# KiCad board rabbit_mask_capacitors.kicad_pcb (continued)
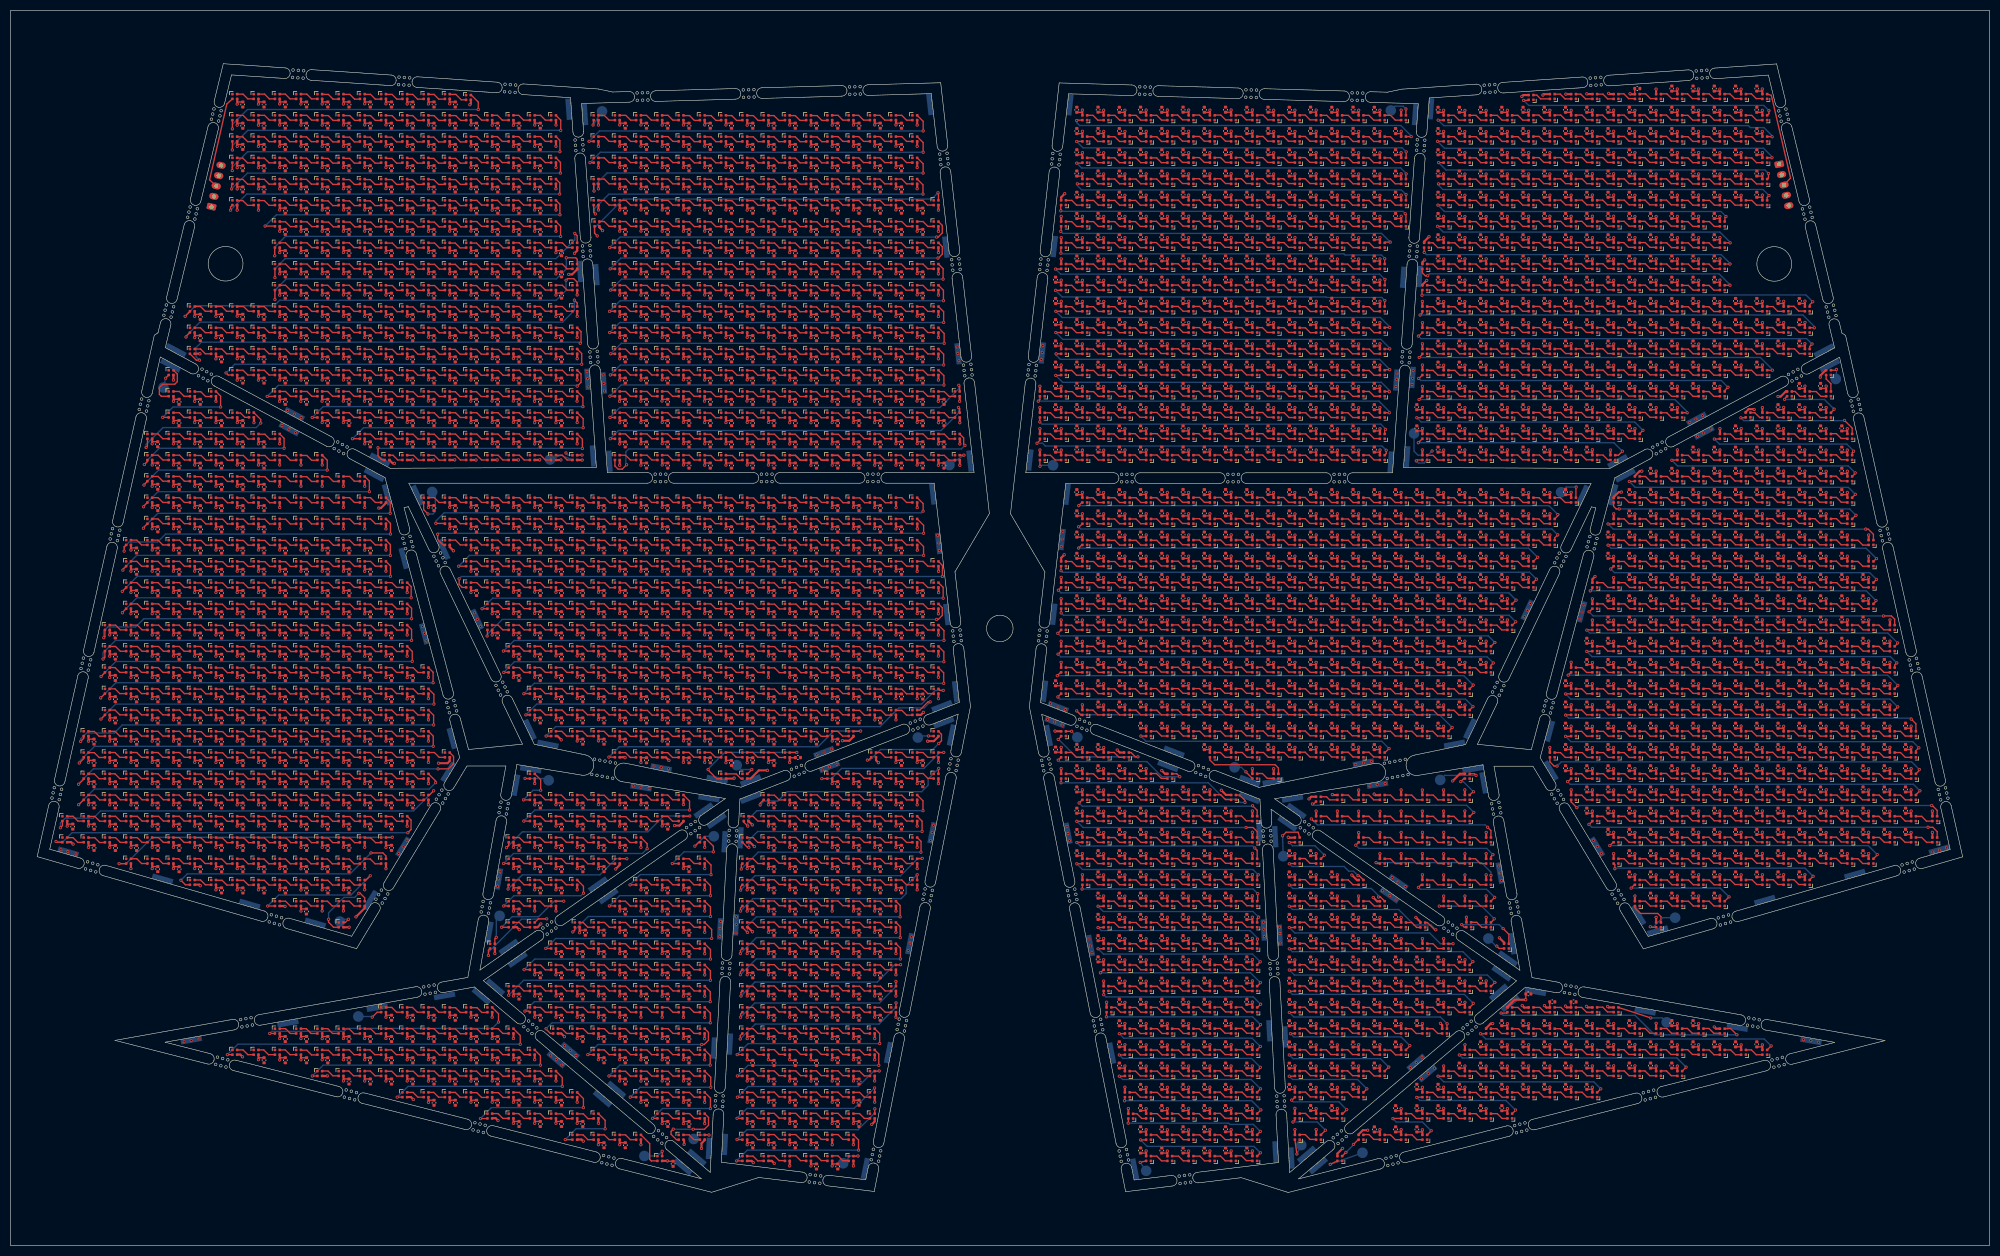
[diagram p0: board, top side]
## Routing (per net, layer and track width the routed paths; a pad name or vN(x,y) marks a point on that pad's centre or on a via; arc(x,y) is an arc through that point) (continued)
134.72,183.34 ; C1485#1813.1 142.72,175.34 ; C1485#165.1 241.68,133.38 ; C1485#931.1 333.68,153.38 ; C1485#1657.1 66.72,91.34 ; C1485#1628.1 273.68,209.38 ; C1485#141.1 313.68,217.38 ; C1485#1601.1 162.72,107.34 ; C1485#2119.1 341.68,93.38 ; C1485#930.1 221.68,49.38 ; C1485#2128.1 265.68,29.38 ; C1485#128.1 146.72,99.34 ; C1485#858.1 285.68,177.38 ; C1485#1085.1 233.68,41.36 ; C1485#156.1 58.72,71.34 ; C1485#568.1 233.68,109.38 ; C1485#2454.1 285.68,181.38 ; C1485#1040.1 329.68,109.38 ; C1485#6.1 110.72,123.34 ; C1485#2047.1 74.72,211.34 ; C1485#2486.1 333.68,169.38 ; C1485#2052.1 205.68,69.38 ; C1485#229.1 225.69,77.36 ; C1485#454.1 301.68,197.38 ; C1485#1103.1 205.68,213.4 ; C1485#1295.1 253.68,165.38 ; C1485#1520.1 229.68,197.4 ; C1485#1314.1 245.68,25.38 ; C1485#2338.1 102.72,159.34 ; C1485#883.1 305.68,109.38 ; C1485#2374.1 249.68,65.38 ; C1485#1125.1 74.72,191.34 ; C1485#1152.1 229.68,65.38 ; C1485#1605.1 30.74,75.32 ; C1485#1176.1 74.72,187.34 ; C1485#1587.1 42.74,139.32 ; C1485#2189.1 118.72,175.34 ; C1485#2215.1 249.68,141.38 ; C1485#393.1 94.72,199.34 ; C1485#65.1 162.72,159.34 ; C1485#1155.1 98.72,167.34 ; C1485#1311.1 166.72,187.32 ; C1485#2067.1 98.72,187.34 ; C1485#2242.1 118.72,195.34 ; C1485#2565.1 154.72,115.34 ; C1485#1724.1 253.68,117.38 ; C1485#436.1 54.72,203.34 ; C1485#2477.1 213.68,169.38 ; C1485#1527.1 233.68,165.4 ; C1485#473.1 253.68,197.4 ; C1485#405.1 126.72,179.34 ; C1485#2501.1 221.68,85.38 ; C1485#475.1 337.68,169.38 ; C1485#954.1 265.68,125.38 ; C1485#1982.1 229.69,73.38 ; C1485#1115.1 337.68,89.38 ; C1485#2075.1 317.68,81.38 ; C1485#1286.1 301.68,213.38 ; C1485#172.1 98.72,47.34 ; C1485#441.1 205.68,89.38 ; C1485#74.1 66.72,39.34 ; C1485#1999.1 118.72,111.34 ; C1485#2121.1 293.68,37.38 ; C1485#824.1 337.68,109.38 ; C1485#2600.1 249.68,129.38 ; C1485#1343.1 349.68,105.38 ; C1485#2602.1 269.68,109.38 ; C1485#1915.1 341.68,77.38 ; C1485#1979.1 166.72,183.34 ; C1485#766.1 82.72,151.34 ; C1485#2359.1 209.68,41.36 ; C1485#2100.1 154.72,75.34 ; C1485#277.1 257.68,189.38 ; C1485#75.1 225.68,69.38 ; C1485#607.1 118.72,163.34 ; C1485#510.1 261.68,49.36 ; C1485#2467.1 86.72,195.34 ; C1485#2564.1 233.68,137.38 ; C1485#1361.1 321.68,81.38 ; C1485#1784.1 22.72,119.34 ; C1485#1968.1 122.72,199.34 ; C1485#21.1 281.68,33.38 ; C1485#2453.1 42.72,175.34 ; C1485#1202.1 205.68,117.38 ; C1485#14.1 114.72,51.34 ; C1485#1007.1 62.74,127.34 ; C1485#1124.1 94.72,27.34 ; C1485#616.1 102.72,179.34 ; C1485#1372.1 269.68,149.38 ; C1485#2355.1 146.72,123.34 ; C1485#104.1 74.72,183.34 ; C1485#1123.1 289.68,141.38 ; C1485#537.1 150.72,19.34 ; C1485#1984.1 150.72,211.34 ; C1485#1334.1 110.71,59.36 ; C1485#832.1 94.72,47.34 ; C1485#775.1 249.68,165.4 ; C1485#2166.1 38.74,143.32 ; C1485#738.1 229.68,57.38 ; C1485#633.1 305.68,133.38 ; C1485#1254.1 281.68,141.38 ; C1485#1430.1 142.72,195.34 ; C1485#2113.1 146.72,159.34 ; C1485#1080.1 82.71,31.34 ; C1485#2032.1 277.68,117.38 ; C1485#267.1 233.68,37.38 ; C1485#1582.1 305.68,85.38 ; C1485#163.1 225.68,105.38 ; C1485#605.1 58.74,95.32 ; C1485#1003.1 257.68,193.38 ; C1485#2203.1 54.72,179.32 ; C1485#2227.1 297.68,157.38 ; C1485#675.1 114.72,199.34 ; C1485#1460.1 34.72,175.34 ; C1485#1522.1 201.68,213.38 ; C1485#218.1 301.68,133.38 ; C1485#347.1 217.68,157.4 ; C1485#680.1 229.68,165.38 ; C1485#96.1 321.68,101.38 ; C1485#1017.1 42.72,155.34 ; C1485#758.1 62.74,107.32 ; C1485#585.1 201.68,93.38 ; C1485#1305.1 54.74,115.34 ; C1485#1567.1 70.72,195.34 ; C1485#671.1 150.72,175.34 ; C1485#103.1 106.72,55.34 ; C1485#2245.1 46.72,127.36 ; C1485#1451.1 253.68,185.4 ; C1485#1001.1 34.74,127.32 ; C1485#1061.1 257.68,169.38 ; C1485#169.1 158.72,23.34 ; C1485#521.1 209.68,185.38 ; C1485#2280.1 269.68,129.38 ; C1485#1685.1 150.72,95.34 ; C1485#504.1 281.68,137.38 ; C1485#1181.1 154.72,119.34 ; C1485#2500.1 142.72,123.34 ; C1485#2612.1 14.72,83.34 ; C1485#293.1 321.68,193.38 ; C1485#37.1 337.68,157.38 ; C1485#2073.1 265.68,49.36 ; C1485#17.1 86.72,135.34 ; C1485#1732.1 329.68,101.38 ; C1485#243.1 14.74,79.32 ; C1485#2014.1 265.69,21.36 ; C1485#2614.1 106.72,123.34 ; C1485#219.1 94.72,135.34 ; C1485#635.1 170.72,167.34 ; C1485#1263.1 257.68,93.36 ; C1485#2105.1 305.68,121.38 ; C1485#757.1 38.74,79.32 ; C1485#693.1 70.72,43.34 ; C1485#1388.1 110.72,43.34 ; C1485#2588.1 237.68,113.38 ; C1485#138.1 261.68,141.38 ; C1485#1479.1 201.68,205.38 ; C1485#2432.1 249.68,121.38 ; C1485#22.1 130.72,211.34 ; C1485#19.1 30.74,123.32 ; C1485#1721.1 257.69,21.36 ; C1485#2367.1 333.68,69.38 ; C1485#1055.1 285.68,149.38 ; C1485#1475.1 102.72,155.34 ; C1485#772.1 26.74,83.32 ; C1485#621.1 162.72,99.34 ; C1485#1485.1 265.68,141.38 ; C1485#1013.1 205.68,113.38 ; C1485#889.1 257.68,173.38 ; C1485#1625.1 102.72,151.34 ; C1485#86.1 297.68,149.38 ; C1485#1192.1 102.72,55.34 ; C1485#912.1 241.68,201.38 ; C1485#1965.1 305.68,105.38 ; C1485#2289.1 118.72,51.34 ; C1485#951.1 130.72,119.34 ; C1485#1133.1 325.68,85.38 ; C1485#2579.1 86.72,167.34 ; C1485#1272.1 154.72,107.34 ; C1485#999.1 289.68,193.38 ; C1485#2045.1 205.68,81.38 ; C1485#1058.1 70.72,163.34 ; C1485#1856.1 14.72,91.34 ; C1485#994.1 74.72,167.34 ; C1485#686.1 38.72,83.34 ; C1485#1840.1 341.68,137.38 ; C1485#1695.1 34.74,87.32 ; C1485#397.1 301.68,205.38 ; C1485#411.1 26.74,119.32 ; C1485#1707.1 225.68,205.38 ; C1485#2524.1 130.72,139.34 ; C1485#1490.1 66.72,83.34 ; C1485#481.1 237.68,105.38 ; C1485#2225.1 333.68,133.38 ; C1485#1187.1 221.68,125.38 ; C1485#1135.1 293.68,189.38 ; C1485#792.1 146.72,151.32 ; C1485#1916.1 273.68,125.38 ; C1485#1953.1 257.68,149.38 ; C1485#1723.1 205.68,201.4 ; C1485#1573.1 166.72,147.34 ; C1485#871.1 225.68,17.38 ; C1485#29.1 225.68,201.38 ; C1485#444.1 213.68,181.38 ; C1485#1408.1 297.68,81.38 ; C1485#1498.1 150.72,187.34 ; C1485#449.1 54.7,63.36 ; C1485#860.1 38.74,107.32 ; C1485#1670.1 90.72,115.34 ; C1485#2089.1 201.68,133.38 ; C1485#2357.1 142.72,95.34 ; C1485#2069.1 245.68,129.38 ; C1485#2347.1 62.72,195.34 ; C1485#668.1 146.72,171.34 ; C1485#2183.1 146.72,71.34 ; C1485#2003.1 150.72,71.34 ; C1485#748.1 158.72,111.34 ; C1485#516.1 118.72,183.34 ; C1485#249.1 221.68,169.38 ; C1485#2101.1 305.68,209.38 ; C1485#7.1 26.7,151.36 ; C1485#1966.1 158.72,199.34 ; C1485#918.1 118.72,211.34 ; C1485#315.1 46.74,87.32 ; C1485#1270.1 221.68,129.38 ; C1485#2337.1 329.68,209.38 ; C1485#2035.1 158.72,175.34 ; C1485#442.1 253.68,213.4 ; C1485#809.1 201.68,109.38 ; C1485#304.1 209.68,121.38 ; C1485#1398.1 277.68,125.38 ; C1485#898.1 98.72,183.34 ; C1485#653.1 213.68,213.4 ; C1485#707.1 273.68,53.36 ; C1485#2093.1 269.68,141.38 ; C1485#1513.1 138.72,23.34 ; C1485#1588.1 142.72,31.34 ; C1485#335.1 277.68,161.38 ; C1485#284.1 94.72,183.34 ; C1485#470.1 281.68,157.38 ; C1485#435.1 241.68,153.4 ; C1485#2434.1 209.69,77.36 ; C1485#422.1 38.74,131.32 ; C1485#1531.1 245.68,185.4 ; C1485#2144.1 150.72,127.34 ; C1485#2528.1 249.68,153.4 ; C1485#1809.1 209.68,125.38 ; C1485#506.1 353.68,109.38 ; C1485#1289.1 154.72,43.34 ; C1485#837.1 42.74,123.32 ; C1485#1222.1 26.74,99.32 ; C1485#2373.1 74.72,207.34 ; C1485#1351.1 213.68,157.38 ; C1485#327.1 249.68,189.38 ; C1485#2537.1 233.68,61.38 ; C1485#2204.1 229.68,37.38 ; C1485#1484.1 74.72,83.34 ; C1485#1264.1 122.72,159.34 ; C1485#2307.1 249.68,197.38 ; C1485#142.1 205.68,185.4 ; C1485#1477.1 66.72,151.34 ; C1485#877.1 217.68,21.38 ; C1485#2411.1 162.72,183.34 ; C1485#603.1 333.68,81.38 ; C1485#2595.1 46.74,67.32 ; C1485#446.1 142.72,187.34 ; C1485#233.1 237.68,189.4 ; C1485#3.1 229.68,29.36 ; C1485#908.1 122.72,99.34 ; C1485#179.1 126.72,135.34 ; C1485#804.1 46.74,79.32 ; C1485#790.1 345.68,129.38 ; C1485#847.1 170.72,103.84 ; C1485#2304.1 54.72,211.34 ; C1485#1487.1 249.68,109.38 ; C1485#2141.1 325.68,149.38 ; C1485#1939.1 269.68,49.36 ; C1485#1867.1 126.72,183.34 ; C1485#51.1 245.68,209.4 ; C1485#1428.1 138.72,139.34 ; C1485#2599.1 221.68,133.38 ; C1485#644.1 62.72,175.32 ; C1485#2064.1 289.68,165.38 ; C1485#1041.1 273.68,189.38 ; C1485#502.1 265.68,117.38 ; C1485#2043.1 245.68,121.38 ; C1485#1488.1 70.72,83.34 ; C1485#496.1 333.68,89.38 ; C1485#1795.1 305.68,213.38 ; C1485#350.1 26.72,71.34 ; C1485#594.1 110.72,35.34 ; C1485#2616.1 233.68,213.38 ; C1485#1934.1 70.72,103.34 ; C1485#2508.1 241.68,173.4 ; C1485#1288.1 285.68,193.38 ; C1485#116.1 317.68,65.38 ; C1485#1462.1 321.68,205.38 ; C1485#291.1 154.72,179.34 ; C1485#336.1 86.72,139.34 ; C1485#928.1 337.68,153.38 ; C1485#2237.1 94.72,195.34 ; C1485#2521.1 301.68,85.38 ; C1485#1843.1 225.68,97.38 ; C1485#829.1 150.72,23.34 ; C1485#638.1 253.68,133.38 ; C1485#1409.1 150.72,131.34 ; C1485#1632.1 162.72,43.34 ; C1485#564.1 217.68,165.4 ; C1485#1618.1 66.72,211.34 ; C1485#1173.1 341.68,89.38 ; C1485#1395.1 138.72,171.34 ; C1485#865.1 257.68,133.38 ; C1485#2558.1 38.72,151.34 ; C1485#2041.1 229.68,149.38 ; C1485#2431.1 38.72,147.32 ; C1485#1878.1 86.72,43.34 ; C1485#1035.1 285.68,141.38 ; C1485#1729.1 329.68,213.38 ; C1485#1483.1 50.74,107.32 ; C1485#2062.1 122.72,51.34 ; C1485#270.1 126.72,103.34 ; C1485#2351.1 54.72,215.34 ; C1485#968.1 197.68,169.38 ; C1485#1884.1 158.72,139.34 ; C1485#1568.1 249.68,177.4 ; C1485#40.1 345.68,125.38 ; C1485#125.1 265.68,121.38 ; C1485#1329.1 237.68,165.38 ; C1485#1304.1 313.68,101.38 ; C1485#891.1 213.68,209.4 ; C1485#415.1 253.68,121.38 ; C1485#137.1 30.74,71.32 ; C1485#469.1 26.72,139.34 ; C1485#2220.1 317.68,85.38 ; C1485#1026.1 293.68,169.38 ; C1485#231.1 221.68,17.38 ; C1485#724.1 337.68,93.38 ; C1485#295.1 42.74,131.32 ; C1485#1381.1 122.72,203.34 ; C1485#1237.1 281.68,165.38 ; C1485#73.1 321.68,209.38 ; C1485#2322.1 237.68,201.4 ; C1485#1803.1 273.68,165.38 ; C1485#1265.1 253.68,189.4 ; C1485#181.1 90.72,203.34 ; C1485#2323.1 146.72,163.34 ; C1485#25.1 22.72,131.34 ; C1485#2409.1 201.68,137.38 ; C1485#305.1 273.69,25.36 ; C1485#2356.1 241.68,33.36 ; C1485#1411.1 329.68,217.38 ; C1485#934.1 269.68,137.38 ; C1485#885.1 325.68,69.38 ; C1485#2114.1 221.68,113.38 ; C1485#569.1 22.74,95.32 ; C1485#901.1 66.7,103.36 ; C1485#471.1 333.68,149.38 ; C1485#79.1 293.68,141.38 ; C1485#1783.1 158.72,159.34 ; C1485#1440.1 213.68,109.38 ; C1485#2567.1 118.72,131.34 ; C1485#2596.1 333.68,105.38 ; C1485#1885.1 209.68,69.38 ; C1485#1888.1 102.74,79.32 ; C1485#555.1 317.68,133.38 ; C1485#1476.1 78.72,155.34 ; C1485#1963.1 90.72,35.34 ; C1485#1478.1 110.72,119.34 ; C1485#227.1 98.72,191.34 ; C1485#1456.1 289.68,201.38 ; C1485#153.1 162.72,55.34 ; C1485#1579.1 42.72,203.34 ; C1485#731.1 217.68,137.38 ; C1485#1717.1 18.72,107.34 ; C1485#2096.1 162.72,191.34 ; C1485#640.1 66.72,115.34 ; C1485#2539.1 333.68,157.38 ; C1485#1486.1 130.72,111.34 ; C1485#1868.1 301.68,181.38 ; C1485#492.1 158.72,207.34 ; C1485#938.1 249.68,93.36 ; C1485#2503.1 98.72,127.34 ; C1485#815.1 78.72,139.34 ; C1485#608.1 205.68,181.38 ; C1485#383.1 321.68,93.38 ; C1485#626.1 154.72,55.34 ; C1485#1245.1 114.72,127.34 ; C1485#1948.1 345.68,73.38 ; C1485#2058.1 98.72,83.34 ; C1485#1165.1 66.72,31.34 ; C1485#1342.1 305.68,165.38 ; C1485#1206.1 257.68,177.38 ; C1485#2428.1 90.72,119.34 ; C1485#540.1 70.72,99.34 ; C1485#813.1 329.68,85.38 ; C1485#251.1 142.72,103.34 ; C1485#2262.1 289.68,189.38 ; C1485#445.1 257.68,61.36 ; C1485#421.1 345.68,85.38 ; C1485#2561.1 333.68,77.38 ; C1485#2346.1 325.68,81.38 ; C1485#1770.1 313.68,169.38 ; C1485#1275.1 269.68,185.38 ; C1485#1225.1 229.68,141.4 ; C1485#2592.1 114.72,179.34 ; C1485#1640.1 325.68,125.38 ; C1485#2517.1 213.68,117.38 ; C1485#622.1 66.72,187.34 ; C1485#35.1 82.72,211.34 ; C1485#2324.1 162.72,199.34 ; C1485#36.1 142.72,47.34 ; C1485#508.1 70.72,91.34 ; C1485#1760.1 138.72,39.34 ; C1485#1745.1 213.68,45.38 ; C1485#2306.1 261.68,125.38 ; C1485#1974.1 110.72,75.34 ; C1485#2273.1 341.68,157.38 ; C1485#1365.1 142.72,131.34 ; C1485#1441.1 209.68,45.38 ; C1485#533.1 126.72,59.34 ; C1485#673.1 94.72,167.34 ; C1485#887.1 269.68,177.38 ; C1485#706.1 349.68,117.38 ; C1485#609.1 66.72,95.34 ; C1485#16.1 114.72,207.34 ; C1485#663.1 142.72,43.34 ; C1485#659.1 58.74,107.32 ; C1485#1423.1 217.68,109.38 ; C1485#1313.1 78.72,175.32 ; C1485#1371.1 241.68,105.38 ; C1485#1763.1 317.68,173.38 ; C1485#1902.1 114.72,43.34 ; C1485#2071.1 277.68,197.38 ; C1485#1355.1 325.68,97.38 ; C1485#348.1 209.68,113.38 ; C1485#1538.1 142.72,51.34 ; C1485#921.1 146.72,195.34 ; C1485#672.1 150.72,195.34 ; C1485#2229.1 245.68,141.4 ; C1485#200.1 213.68,81.38 ; C1485#1489.1 281.68,153.38 ; C1485#2053.1 285.68,137.38 ; C1485#208.1 309.68,201.38 ; C1485#2620.1 289.68,33.38 ; C1485#245.1 349.68,81.38 ; C1485#1446.1 142.72,63.34 ; C1485#1746.1 138.72,19.34 ; C1485#1921.1 309.68,97.38 ; C1485#2034.1 253.68,169.38 ; C1485#364.1 118.72,99.34 ; C1485#480.1 107.2,59.36 ; C1485#1990.1 106.72,131.34 ; C1485#2546.1 217.68,97.38 ; C1485#2238.1 221.68,21.38 ; C1485#960.1 102.72,119.34 ; C1485#740.1 170.72,179.34 ; C1485#1148.1 245.68,173.38 ; C1485#1709.1 217.68,29.36 ; C1485#2084.1 166.72,131.34 ; C1485#1128.1 82.72,179.32 ; C1485#1692.1 293.68,41.38 ; C1485#586.1 70.72,175.32 ; C1485#1399.1 98.72,179.34 ; C1485#2010.1 277.68,173.38 ; C1485#1671.1 170.72,155.32 ; C1485#2484.1 122.72,175.34 ; C1485#394.1 150.72,103.34 ; C1485#1959.1 30.74,79.32 ; C1485#2226.1 154.72,147.34 ; C1485#2070.1 269.69,101.38 ; C1485#2190.1 229.68,201.4 ; C1485#946.1 42.74,95.32 ; C1485#1569.1 201.68,105.38 ; C1485#1093.1 70.72,167.34 ; C1485#784.1 341.68,129.38 ; C1485#1307.1 337.68,77.38 ; C1485#46.1 82.72,195.34 ; C1485#1301.1 162.72,83.34 ; C1485#1711.1 82.72,191.34 ; C1485#527.1 146.72,75.34 ; C1485#447.1 138.72,199.34 ; C1485#1852.1 269.68,45.36 ; C1485#1710.1 98.72,115.34 ; C1485#1780.1 34.74,83.32 ; C1485#907.1 201.68,173.4 ; C1485#2446.1 245.68,69.38 ; C1485#2495.1 126.72,211.34 ; C1485#664.1 221.68,161.38 ; C1485#1045.1 134.72,163.34 ; C1485#1713.1 62.72,67.34 ; C1485#576.1 249.68,105.38 ; C1485#2383.1 158.72,79.34 ; C1485#1816.1 146.72,203.34 ; C1485#1819.1 241.68,213.38 ; C1485#1545.1 30.74,107.32 ; C1485#1236.1 94.72,203.34 ; C1485#1415.1 90.72,187.34 ; C1485#709.1 201.69,73.38 ; C1485#1680.1 158.72,115.34 ; C1485#59.1 62.74,115.34 ; C1485#523.1 225.68,121.38 ; C1485#2489.1 285.68,213.38 ; C1485#1962.1 277.68,109.38 ; C1485#1318.1 225.68,81.38 ; C1485#38.1 321.68,133.38 ; C1485#1661.1 225.68,189.38 ; C1485#1453.1 50.72,179.32 ; C1485#734.1 317.68,117.38 ; C1485#2104.1 221.69,73.38 ; C1485#1359.1 209.69,73.38 ; C1485#2299.1 249.68,57.36 ; C1485#1758.1 34.74,75.32 ; C1485#2312.1 102.72,131.34 ; C1485#882.1 313.68,197.38 ; C1485#1142.1 30.74,135.32 ; C1485#1284.1 233.68,17.38 ; C1485#237.1 162.72,103.34 ; C1485#873.1 257.68,125.38 ; C1485#1179.1 126.72,35.34 ; C1485#2468.1 265.68,45.36 ; C1485#1285.1 257.68,45.36 ; C1485#494.1 229.68,109.38 ; C1485#2233.1 150.72,151.32 ; C1485#2038.1 337.68,161.38 ; C1485#124.1 94.72,123.34 ; C1485#1690.1 66.72,111.34 ; C1485#1523.1 269.69,25.36 ; C1485#2078.1 209.68,109.38 ; C1485#39.1 122.72,191.34 ; C1485#759.1 118.72,167.34 ; C1485#2329.1 245.68,165.38 ; C1485#948.1 170.72,123.34 ; C1485#1023.1 317.68,97.38 ; C1485#2163.1 301.68,41.38 ; C1485#2475.1 253.68,201.4 ; C1485#771.1 333.68,97.38 ; C1485#1507.1 317.68,145.38 ; C1485#2055.1 309.68,121.38 ; C1485#2004.1 225.68,213.38 ; C1485#702.1 345.68,145.38 ; C1485#1950.1 86.72,27.34 ; C1485#1447.1 201.68,153.4 ; C1485#2452.1 265.68,53.36 ; C1485#2002.1 78.72,203.34 ; C1485#623.1 321.68,189.38 ; C1485#1069.1 162.72,179.34 ; C1485#1454.1 54.74,79.32 ; C1485#1217.1 257.68,165.38 ; C1485#118.1 86.72,159.34 ; C1485#2109.1 122.72,27.34 ; C1485#418.1 114.72,131.34 ; C1485#958.1 162.72,111.34 ; C1485#248.1 341.68,105.38 ; C1485#652.1 241.68,69.38 ; C1485#2398.1 118.72,107.34 ; C1485#2060.1 150.72,135.34 ; C1485#2162.1 50.74,111.34 ; C1485#252.1 237.68,173.38 ; C1485#2333.1 201.68,149.4 ; C1485#2543.1 309.68,173.38 ; C1485#365.1 249.68,205.38 ; C1485#2157.1 26.7,147.34 ; C1485#205.1 245.68,137.38 ; C1485#235.1 34.74,91.32 ; C1485#123.1 90.72,139.34 ; C1485#1387.1 122.72,119.34 ; C1485#1241.1 114.72,151.32 ; C1485#382.1 126.72,91.84 ; C1485#1405.1 253.68,181.38 ; C1485#1157.1 245.68,177.38 ; C1485#687.1 126.72,111.34 ; C1485#1393.1 313.68,105.38 ; C1485#80.1 114.74,83.32 ; C1485#105.1 261.68,37.36 ; C1485#1914.1 114.72,191.34 ; C1485#489.1 213.68,205.4 ; C1485#2597.1 122.72,63.34 ; C1485#1786.1 146.72,51.34 ; C1485#2252.1 146.72,79.34 ; C1485#688.1 62.74,103.32 ; C1485#1315.1 98.72,43.34 ; C1485#843.1 353.68,105.38 ; C1485#2116.1 253.68,137.38 ; C1485#2335.1 138.72,123.34 ; C1485#532.1 313.68,157.38 ; C1485#2175.1 70.72,107.34 ; C1485#2426.1 106.72,23.34 ; C1485#1651.1 221.68,157.38 ; C1485#2485.1 42.72,103.34 ; C1485#1221.1 297.68,185.38 ; C1485#1205.1 158.72,87.34 ; C1485#2559.1 237.68,97.38 ; C1485#669.1 297.68,105.38 ; C1485#2380.1 213.68,185.4 ; C1485#1278.1 170.72,187.32 ; C1485#2314.1 70.72,171.34 ; C1485#503.1 329.68,125.38 ; C1485#2213.1 253.68,209.4 ; C1485#2610.1 309.68,157.38 ; C1485#216.1 233.68,181.4 ; C1485#1185.1 154.72,171.34 ; C1485#101.1 54.74,87.32 ; C1485#439.1 253.68,157.38 ; C1485#1697.1 58.74,91.32 ; C1485#2556.1 102.74,75.32 ; C1485#1005.1 130.72,191.34 ; C1485#1097.1 86.72,31.34 ; C1485#1793.1 213.69,101.38 ; C1485#2205.1 154.72,79.34 ; C1485#440.1 277.68,113.38 ; C1485#2009.1 46.72,119.34 ; C1485#820.1 261.68,45.36 ; C1485#423.1 217.68,105.38 ; C1485#831.1 158.72,147.34 ; C1485#841.1 98.72,203.34 ; C1485#1020.1 257.68,197.38 ; C1485#2456.1 118.72,203.34 ; C1485#547.1 130.72,167.34 ; C1485#376.1 42.74,127.32 ; C1485#49.1 146.72,211.34 ; C1485#225.1 225.68,109.38 ; C1485#283.1 38.74,99.32 ; C1485#2430.1 62.72,171.34 ; C1485#1178.1 353.68,97.38 ; C1485#2161.1 241.68,65.38 ; C1485#1804.1 205.68,149.38 ; C1485#869.1 138.72,71.34 ; C1485#2554.1 229.68,81.38 ; C1485#2494.1 122.72,131.34 ; C1485#2079.1 170.72,151.34 ; C1485#278.1 277.68,49.38 ; C1485#1976.1 201.68,157.4 ; C1485#1220.1 166.72,151.34 ; C1485#2015.1 126.72,99.34 ; C1485#1465.1 126.72,155.34 ; C1485#894.1 150.72,47.34 ; C1485#780.1 126.72,71.34 ; C1485#557.1 297.68,89.38 ; C1485#392.1 150.72,155.34 ; C1485#1290.1 166.72,75.34 ; C1485#2476.1 269.68,181.38 ; C1485#2525.1 205.68,133.38 ; C1485#2221.1 146.72,187.34 ; C1485#2459.1 233.68,105.38 ; C1485#2115.1 138.72,31.34 ; C1485#2207.1 245.68,189.4 ; C1485#1087.1 162.72,123.34 ; C1485#538.1 277.69,25.36 ; C1485#67.1 225.68,173.4 ; C1485#1108.1 229.68,205.4 ; C1485#1293.1 118.72,155.34 ; C1485#507.1 329.68,153.38 ; C1485#190.1 18.72,111.34 ; C1485#2604.1 285.68,209.38 ; C1485#2371.1 313.68,173.38 ; C1485#2095.1 38.72,95.34 ; C1485#773.1 114.72,47.34 ; C1485#716.1 70.72,187.34 ; C1485#2590.1 245.68,53.36 ; C1485#879.1 197.68,161.38 ; C1485#1613.1 82.72,139.34 ; C1485#1063.1 98.72,195.34 ; C1485#2172.1 341.68,133.38 ; C1485#1442.1 217.68,65.38 ; C1485#711.1 357.68,93.38 ; C1485#2153.1 126.72,55.36 ; C1485#691.1 114.72,95.34 ; C1485#511.1 106.72,39.34 ; C1485#1203.1 217.68,25.38 ; C1485#2352.1 245.68,113.38 ; C1485#1699.1 313.68,37.38 ; C1485#866.1 142.72,171.34 ; C1485#1586.1 134.72,195.34 ; C1485#1449.1 229.69,101.38 ; C1485#913.1 341.68,145.38 ; C1485#2461.1 341.68,141.38 ; C1485#1864.1 166.72,167.34 ; C1485#1738.1 277.68,181.38 ; C1485#352.1 66.72,167.34 ; C1485#244.1 229.68,17.38 ; C1485#430.1 22.72,127.34 ; C1485#2363.1 62.72,159.34 ; C1485#2562.1 162.72,207.34 ; C1485#2150.1 90.72,207.34 ; C1485#325.1 62.72,199.34 ; C1485#2433.1 261.68,117.38 ; C1485#1740.1 205.68,153.38 ; C1485#723.1 22.74,111.32 ; C1485#1831.1 34.72,151.34 ; C1485#525.1 110.72,71.34 ; C1485#2504.1 138.72,163.34 ; C1485#1149.1 229.68,157.38 ; C1485#213.1 46.74,103.32 ; C1485#2471.1 273.68,29.38 ; C1485#24.1 309.68,73.38 ; C1485#674.1 241.68,177.4 ; C1485#362.1 102.72,103.34 ; C1485#1558.1 102.74,71.32 ; C1485#2276.1 241.68,121.38 ; C1485#660.1 158.72,171.34 ; C1485#1491.1 150.72,43.34 ; C1485#2254.1 70.72,199.34 ; C1485#853.1 337.68,121.38 ; C1485#923.1 150.72,51.34 ; C1485#2264.1 337.68,117.38 ; C1485#1298.1 297.68,109.38 ; C1485#2283.1 58.72,211.34 ; C1485#1327.1 217.68,37.38 ; C1485#1191.1 98.72,171.34 ; C1485#303.1 146.72,111.34 ; C1485#271.1 130.72,123.34 ; C1485#1854.1 221.68,149.38 ; C1485#807.1 229.68,209.4 ; C1485#460.1 54.72,167.34 ; C1485#2444.1 229.68,213.4 ; C1485#1596.1 118.72,115.34 ; C1485#109.1 146.72,131.34 ; C1485#1482.1 305.68,201.38 ; C1485#1822.1 241.68,117.38 ; C1485#361.1 118.74,83.32 ; C1485#2469.1 285.68,37.38 ; C1485#2586.1 217.69,101.38 ; C1485#2490.1 102.72,123.34 ; C1485#1571.1 321.68,161.38 ; C1485#2420.1 221.68,165.38 ; C1485#1782.1 46.74,99.32 ; C1485#2259.1 98.72,51.34 ; C1485#1734.1 205.68,57.38 ; C1485#232.1 249.68,149.4 ; C1485#1893.1 98.72,23.34 ; C1485#2282.1 269.68,133.38 ; C1485#296.1 30.72,147.32 ; C1485#1565.1 102.72,111.34 ; C1485#1090.1 273.68,49.36 ; C1485#648.1 257.68,105.38 ; C1485#1870.1 301.68,177.38 ; C1485#2366.1 78.72,31.34 ; C1485#1234.1 245.68,149.38 ; C1485#406.1 82.72,183.34 ; C1485#147.1 114.72,103.34 ; C1485#2117.1 309.68,181.38 ; C1485#1434.1 146.72,119.34 ; C1485#2006.1 325.68,105.38 ; C1485#114.1 50.72,195.34 ; C1485#273.1 110.72,111.34 ; C1485#2319.1 289.68,37.38 ; C1485#140.1 293.68,205.38 ; C1485#1190.1 309.68,129.38 ; C1485#963.1 281.68,209.38 ; C1485#750.1 154.72,167.34 ; C1485#1961.1 162.72,187.34 ; C1485#223.1 233.68,185.38 ; C1485#374.1 162.72,119.34 ; C1485#1654.1 138.72,131.34 ; C1485#1708.1 42.72,167.34 ; C1485#2129.1 58.72,187.34 ; C1485#2074.1 106.72,47.34 ; C1485#2482.1 217.68,125.38 ; C1485#2534.1 66.74,119.32 ; C1485#275.1 301.68,33.38 ; C1485#478.1 309.68,209.38 ; C1485#1945.1 229.68,181.38 ; C1485#407.1 34.72,171.34 ; C1485#474.1 313.68,141.38 ; C1485#1102.1 249.68,117.38 ; C1485#1154.1 114.72,99.34 ; C1485#682.1 146.72,95.34 ; C1485#287.1 126.72,175.34 ; C1485#334.1 297.68,165.38 ; C1485#2142.1 122.72,195.34 ; C1485#2036.1 205.68,61.38 ; C1485#1756.1 233.68,21.38 ; C1485#94.1 217.68,209.38 ; C1485#1918.1 253.68,29.38 ; C1485#1824.1 162.72,211.34 ; C1485#1952.1 305.68,33.38 ; C1485#186.1 241.68,209.38 ; C1485#836.1 78.72,159.34 ; C1485#1532.1 221.68,57.38 ; C1485#769.1 150.72,67.34 ; C1485#1417.1 70.72,119.34 ; C1485#794.1 261.68,205.38 ; C1485#1229.1 249.68,213.38 ; C1485#629.1 142.72,127.34 ; C1485#2111.1 126.72,27.34 ; C1485#1027.1 225.68,197.38 ; C1485#1044.1 138.72,167.34 ; C1485#828.1 66.72,35.34 ; C1485#2277.1 229.68,61.38 ; C1485#2305.1 297.68,113.38 ; C1485#1595.1 257.68,129.38 ; C1485#637.1 150.72,55.34 ; C1485#372.1 26.74,103.32 ; C1485#2008.1 42.72,99.34 ; C1485#2576.1 34.72,79.34 ; C1485#1604.1 70.72,79.34 ; C1485#1667.1 273.68,149.38 ; C1485#1053.1 170.72,147.34 ; C1485#2354.1 313.68,33.38 ; C1485#1374.1 90.72,191.34 ; C1485#1308.1 110.72,139.34 ; C1485#967.1 317.68,209.38 ; C1485#2585.1 66.72,191.34 ; C1485#1627.1 269.68,125.38 ; C1485#556.1 241.68,41.36 ; C1485#677.1 142.72,179.34 ; C1485#893.1 66.72,195.34 ; C1485#534.1 102.74,83.32 ; C1485#1875.1 253.68,153.38 ; C1485#1414.1 158.72,67.34 ; C1485#1082.1 166.72,107.34 ; C1485#189.1 142.72,99.34 ; C1485#43.1 217.68,181.4 ; C1485#1078.1 118.72,67.34 ; C1485#577.1 166.72,87.34 ; C1485#1702.1 301.68,81.38 ; C1485#1615.1 233.68,177.4 ; C1485#333.1 281.68,29.38 ; C1485#713.1 158.72,155.34 ; C1485#89.1 142.72,111.34 ; C1485#1340.1 305.68,161.38 ; C1485#1004.1 313.68,161.38 ; C1485#1750.1 241.68,97.38 ; C1485#241.1 313.68,177.38 ; C1485#2197.1 122.72,107.34 ; C1485#1146.1 118.72,119.34 ; C1485#902.1 225.68,29.36 ; C1485#574.1 134.72,199.34 ; C1485#1676.1 130.72,107.34 ; C1485#1466.1 225.68,33.38 ; C1485#582.1 273.68,169.38 ; C1485#1580.1 70.72,215.34 ; C1485#1535.1 249.68,33.36 ; C1485#920.1 118.72,39.34 ; C1485#2429.1 106.74,83.32 ; C1485#749.1 74.72,99.34 ; C1485#2173.1 38.72,175.34 ; C1485#366.1 269.68,53.36 ; C1485#1614.1 313.68,125.38 ; C1485#1469.1 209.68,85.38 ; C1485#130.1 293.68,105.38 ; C1485#1349.1 221.68,25.38 ; C1485#647.1 225.69,73.38 ; C1485#1688.1 126.72,115.34 ; C1485#1785.1 98.72,155.34 ; C1485#1528.1 225.68,25.38 ; C1485#84.1 217.68,121.38 ; C1485#467.1 110.72,103.34 ; C1485#379.1 150.72,167.34 ; C1485#588.1 146.72,39.34 ; C1485#764.1 297.68,29.38 ; C1485#2401.1 257.68,209.38 ; C1485#610.1 134.72,107.34 ; C1485#353.1 94.72,151.34 ; C1485#1776.1 74.72,159.34 ; C1485#1597.1 277.68,193.38 ; C1485#400.1 333.68,109.38 ; C1485#390.1 130.72,187.34 ; C1485#329.1 317.68,37.38 ; C1485#1925.1 237.68,181.38 ; C1485#2531.1 213.68,37.38 ; C1485#1118.1 110.72,47.34 ; C1485#927.1 150.72,183.34 ; C1485#419.1 229.68,33.38 ; C1485#1022.1 225.68,85.38 ; C1485#88.1 54.74,131.32 ; C1485#551.1 289.68,41.38 ; C1485#1037.1 201.68,201.38 ; C1485#1029.1 26.74,123.32 ; C1485#1057.1 309.68,81.38 ; C1485#914.1 30.74,91.32 ; C1485#630.1 134.72,115.34 ; C1485#2594.1 285.68,33.38 ; C1485#1808.1 209.68,209.38 ; C1485#2149.1 146.72,63.34 ; C1485#214.1 30.74,99.32 ; C1485#1562.1 345.68,117.38 ; C1485#870.1 317.68,77.38 ; C1485#2455.1 313.68,165.38 ; C1485#1368.1 317.68,93.38 ; C1485#326.1 170.72,107.34 ; C1485#1180.1 209.68,189.38 ; C1485#992.1 54.72,187.34 ; C1485#391.1 58.72,195.34 ; C1485#1922.1 293.68,97.38 ; C1485#437.1 333.68,73.38 ; C1485#1658.1 277.68,169.38 ; C1485#203.1 82.72,39.34 ; C1485#1906.1 150.72,39.34 ; C1485#2122.1 58.74,111.34 ; C1485#78.1 126.72,131.34 ; C1485#2182.1 225.68,157.4 ; C1485#1267.1 94.72,75.34 ; C1485#2387.1 353.68,93.38 ; C1485#2131.1 297.68,101.38 ; C1485#358.1 70.72,183.34 ; C1485#482.1 205.68,209.4 ; C1485#1860.1 277.68,205.38 ; C1485#369.1 86.72,187.34 ; C1485#1344.1 66.72,107.34 ; C1485#1622.1 138.72,151.32 ; C1485#1827.1 205.68,125.38 ; C1485#1790.1 170.72,163.34 ; C1485#99.1 142.72,79.34 ; C1485#636.1 78.72,43.34 ; C1485#331.1 110.72,99.34 ; C1485#712.1 257.68,153.38 ; C1485#320.1 241.68,109.38 ; C1485#1326.1 94.72,119.34 ; C1485#944.1 98.72,163.34 ; C1485#1663.1 94.72,207.34 ; C1485#1825.1 66.72,155.34 ; C1485#1652.1 18.74,79.32 ; C1485#514.1 209.68,177.4 ; C1485#1821.1 46.74,91.32 ; C1485#2176.1 337.68,85.38 ; 42.72,215.84 D1.2 ; C1485#2325.1 62.74,119.32 ; C1485#2136.1 317.68,73.38 ; C1485#1089.1 209.68,61.38 ; C1485#2234.1 317.68,161.38 ; C1485#1492.1 229.68,189.4 ; C1485#528.1 122.72,31.34 ; C1485#1800.1 46.74,107.32 ; C1485#929.1 94.72,35.34 ; C1485#1424.1 46.72,35.34 ; C1485#1801.1 166.72,155.32 ; C1485#662.1 150.72,119.34 ; C1485#666.1 225.68,41.36 ; C1485#591.1 162.72,171.34 ; C1485#4.1 166.72,91.34 ; C1485#1231.1 229.68,133.38 ; C1485#2440.1 201.68,113.38 ; C1485#2167.1 34.74,119.32 ; C1485#2310.1 86.72,39.34 ; C1485#2560.1 94.72,107.34 ; C1485#624.1 261.68,113.38 ; C1485#1425.1 241.68,61.36 ; C1485#1553.1 325.68,209.38 ; C1485#1386.1 313.68,137.38 ; C1485#2287.1 142.72,203.34 ; C1485#2202.1 46.72,203.34 ; C1485#1200.1 281.68,117.38 ; C1485#2389.1 341.68,161.38 ; C1485#1989.1 30.72,159.34 ; C1485#631.1 58.74,119.32 ; C1485#2386.1 126.72,123.34 ; C1485#1209.1 170.72,91.34 ; C1485#282.1 297.68,161.38 ; C1485#1993.1 82.72,159.34 ; C1485#1960.1 241.69,101.38 ; C1485#281.1 114.72,183.34 ; C1485#2138.1 233.68,201.38 ; C1485#776.1 233.68,157.4 ; C1485#1312.1 74.72,43.34 ; C1485#184.1 38.74,139.32 ; C1485#2496.1 241.68,165.4 ; C1485#456.1 285.68,41.38 ; C1485#57.1 245.68,61.36 ; C1485#583.1 78.72,179.32 ; C1485#1109.1 66.74,123.32 ; C1485#1997.1 205.68,169.38 ; C1485#956.1 309.68,193.38 ; C1485#1068.1 245.68,201.4 ; C1485#710.1 126.72,187.34 ; C1485#443.1 209.68,197.38 ; C1485#120.1 245.68,181.38 ; C1485#650.1 345.68,121.38 ; C1485#2297.1 205.69,73.38 ; C1485#1266.1 154.72,207.34 ; C1485#288.1 309.68,77.38 ; C1485#703.1 158.72,107.34 ; C1485#990.1 329.68,113.38 ; C1485#1735.1 317.68,105.38 ; C1485#2408.1 225.68,93.36 ; C1485#717.1 138.72,103.34 ; C1485#1859.1 134.72,171.34 ; C1485#1159.1 154.72,67.34 ; C1485#2577.1 150.72,179.34 ; C1485#777.1 293.68,193.38 ; C1485#753.1 225.68,21.38 ; C1485#1891.1 18.74,91.32 ; C1485#1091.1 257.68,185.38 ; C1485#735.1 154.72,151.32 ; C1485#1635.1 241.68,185.38 ; C1485#1016.1 337.68,97.38 ; C1485#2573.1 154.72,175.34 ; C1485#1769.1 170.72,195.34 ; C1485#1537.1 257.68,117.38 ; C1485#1773.1 229.68,161.38 ; C1485#2563.1 305.68,173.38 ; C1485#969.1 321.68,85.38 ; C1485#2191.1 253.68,177.38 ; C1485#751.1 249.68,113.38 ; C1485#984.1 221.68,181.38 ; C1485#1617.1 54.72,175.32 ; C1485#217.1 146.72,155.34 ; C1485#1019.1 281.68,169.38 ; C1485#1280.1 118.72,59.34 ; C1485#285.1 197.68,181.38 ; C1485#1126.1 162.72,67.34 ; C1485#1805.1 98.72,103.34 ; C1485#280.1 309.68,189.38 ; C1485#1106.1 261.68,61.36 ; C1485#811.1 305.68,169.38 ; C1485#810.1 269.68,209.38 ; C1485#1309.1 58.72,167.34 ; C1485#535.1 50.72,207.34 ; C1485#1389.1 209.68,129.38 ; C1485#148.1 50.72,163.34 ; C1485#1712.1 78.72,27.34 ; C1485#2407.1 221.68,109.38 ; C1485#1865.1 273.68,173.38 ; C1485#2155.1 309.68,133.38 ; C1485#788.1 122.72,211.34 ; C1485#1377.1 253.68,53.36 ; C1485#1518.1 281.68,121.38 ; C1485#2133.1 142.72,191.34 ; C1485#2437.1 50.74,83.32 ; C1485#2593.1 114.72,111.34 ; C1485#1331.1 130.72,127.34 ; C1485#28.1 158.72,135.34 ; C1485#678.1 293.68,149.38 ; C1485#1585.1 42.72,107.34 ; C1485#1612.1 46.72,131.34 ; C1485#2472.1 249.68,209.38 ; C1485#634.1 321.68,105.38 ; C1485#1544.1 142.72,199.34 ; C1485#332.1 130.72,115.34 ; C1485#1752.1 122.72,139.34 ; C1485#2125.1 126.72,207.34 ; C1485#880.1 158.72,163.34 ; C1485#1942.1 321.68,65.38 ; C1485#578.1 321.68,77.38 ; C1485#762.1 70.72,191.34 ; C1485#317.1 126.72,199.34 ; C1485#575.1 341.68,97.38 ; C1485#600.1 134.72,175.34 ; C1485#915.1 166.72,163.34 ; C1485#62.1 281.68,173.38 ; C1485#1946.1 122.72,179.34 ; C1485#2143.1 345.68,133.38 ; C1485#2263.1 94.72,187.34 ; C1485#2507.1 38.72,171.34 ; C1485#2488.1 58.72,79.34 ; C1485#176.1 289.68,169.38 ; C1485#2624.1 122.72,115.34 ; C1485#1525.1 225.68,133.38 ; C1485#434.1 273.68,129.38 ; C1485#845.1 158.72,123.34 ; C1485#1550.1 134.72,127.34 ; C1485#1143.1 42.72,211.34 ; C1485#2134.1 130.72,163.34 ; C1485#1673.1 241.68,53.36 ; C1485#1354.1 154.72,87.34 ; C1485#324.1 241.68,45.36 ; C1485#206.1 46.74,135.32 ; C1485#1909.1 209.68,141.38 ; C1485#846.1 237.68,129.38 ; C1485#323.1 106.72,119.34 ; C1485#2270.1 70.72,115.34 ; C1485#2581.1 249.68,69.38 ; C1485#781.1 301.68,169.38 ; C1485#1508.1 138.72,115.34 ; C1485#328.1 349.68,85.38 ; C1485#1609.1 277.68,141.38 ; C1485#1539.1 146.72,147.34 ; C1485#1095.1 86.72,207.34 ; C1485#1012.1 205.68,205.4 ; C1485#1633.1 166.72,207.34 ; C1485#215.1 54.74,123.32 ; C1485#2135.1 249.68,185.38 ; C1485#1716.1 122.72,59.34 ; C1485#509.1 98.74,71.32 ; C1485#1167.1 205.68,161.38 ; C1485#2391.1 122.72,167.34 ; C1485#746.1 245.68,97.38 ; C1485#1458.1 150.72,163.34 ; C1485#1665.1 329.68,121.38 ; C1485#1887.1 237.68,137.38 ; C1485#2239.1 114.72,139.34 ; C1485#1144.1 297.68,37.38 ; C1485#789.1 221.68,177.38 ; C1485#1444.1 285.68,169.38 ; C1485#344.1 154.72,103.34 ; C1485#2623.1 42.74,135.32 ; C1485#761.1 269.68,157.38 ; C1485#1138.1 217.69,73.38 ; C1485#1464.1 110.72,95.34 ; C1485#401.1 118.72,31.34 ; C1485#1201.1 158.72,167.34 ; C1485#300.1 213.68,21.38 ; C1485#1255.1 205.68,105.38 ; C1485#1204.1 102.72,107.34 ; C1485#560.1 18.72,115.34 ; C1485#2345.1 62.72,211.34 ; C1485#1259.1 225.68,165.4 ; C1485#1529.1 333.68,121.38 ; C1485#1100.1 90.72,167.34 ; C1485#2029.1 293.68,101.38 ; C1485#433.1 297.68,33.38 ; C1485#2379.1 201.68,169.4 ; C1485#1310.1 46.72,199.34 ; C1485#2390.1 50.74,127.34 ; C1485#1452.1 30.74,143.32 ; C1485#1928.1 213.68,173.38 ; C1485#2450.1 213.68,121.38 ; C1485#2457.1 225.68,49.38 ; C1485#962.1 313.68,69.38 ; C1485#2328.1 205.68,177.38 ; C1485#1018.1 82.72,155.34 ; C1485#2284.1 154.72,163.34 ; C1485#1631.1 70.72,39.34 ; C1485#2327.1 126.72,191.34 ; C1485#2580.1 305.68,197.38 ; C1485#1882.1 213.68,201.4 ; C1485#1863.1 146.72,59.34 ; C1485#1416.1 62.72,203.34 ; C1485#1833.1 102.72,175.34 ; C1485#851.1 110.74,79.32 ; C1485#2369.1 285.68,165.38 ; C1485#351.1 34.72,155.34 ; C1485#1119.1 353.68,101.38 ; C1485#246.1 237.68,117.38 ; C1485#939.1 293.68,161.38 ; C1485#2404.1 78.72,171.34 ; C1485#2012.1 221.68,121.38 ; C1485#2514.1 86.72,163.34 ; C1485#1992.1 118.72,63.34 ; C1485#1360.1 34.72,159.34 ; C1485#168.1 229.68,93.36 ; C1485#299.1 122.72,83.34 ; C1485#1333.1 301.68,89.38 ; C1485#1924.1 345.68,153.38 ; C1485#655.1 353.68,77.38 ; C1485#2547.1 209.68,161.4 ; C1485#82.1 313.68,121.38 ; C1485#981.1 341.68,125.38 ; C1485#1826.1 46.72,167.34 ; C1485#1706.1 134.72,103.34 ; C1485#396.1 38.72,87.34 ; C1485#818.1 229.68,105.38 ; C1485#209.1 114.72,211.34 ; C1485#1929.1 225.68,113.38 ; C1485#988.1 197.68,165.38 ; C1485#8.1 229.68,121.38 ; C1485#2441.1 98.72,135.34 ; C1485#2018.1 269.68,97.38 ; C1485#1224.1 213.68,165.38 ; C1485#1112.1 110.72,55.34 ; C1485#2343.1 114.72,119.34 ; C1485#2027.1 150.72,75.34 ; C1485#973.1 229.68,185.4 ; C1485#1727.1 253.68,37.36 ; C1485#1672.1 321.68,185.38 ; C1485#1067.1 18.72,103.34 ; C1485#2384.1 197.68,157.38 ; C1485#1823.1 341.68,109.38 ; C1485#505.1 110.72,107.34 ; C1485#996.1 213.68,57.38 ; C1485#239.1 317.68,113.38 ; C1485#615.1 42.72,199.34 ; C1485#971.1 110.72,51.34 ; C1485#1328.1 122.72,79.34 ; C1485#1317.1 102.72,135.34 ; C1485#754.1 130.72,203.34 ; C1485#264.1 261.68,109.38 ; C1485#1332.1 249.68,125.38 ; C1485#1330.1 245.68,125.38 ; C1485#1749.1 34.74,71.32 ; C1485#2092.1 229.68,21.38 ; C1485#2601.1 273.68,113.38 ; C1485#1323.1 62.72,31.34 ; C1485#604.1 94.72,111.34 ; C1485#935.1 42.72,115.36 ; C1485#131.1 30.74,119.32 ; C1485#2181.1 245.68,41.36 ; C1485#133.1 205.68,121.38 ; C1485#900.1 94.72,127.34 ; C1485#1427.1 233.68,125.38 ; C1485#2301.1 329.68,197.38 ; C1485#2361.1 309.68,197.38 ; C1485#554.1 86.72,171.34 ; C1485#1495.1 166.72,171.32 ; C1485#768.1 62.72,87.34 ; C1485#1600.1 154.72,39.34 ; C1485#2519.1 249.68,45.36 ; C1485#1459.1 54.74,75.32 ; C1485#736.1 170.72,175.34 ; C1485#2385.1 205.68,65.38 ; C1485#2112.1 225.68,129.38 ; C1485#526.1 281.68,37.38 ; C1485#1772.1 50.74,115.34 ; C1485#1009.1 46.72,151.34 ; C1485#1168.1 86.72,211.34 ; C1485#1338.1 313.68,185.38 ; C1485#1279.1 233.68,53.38 ; C1485#1247.1 201.68,121.38 ; C1485#628.1 138.72,187.34